# KiCad board INS-1 Matrix Display.kicad_pcb (continued)
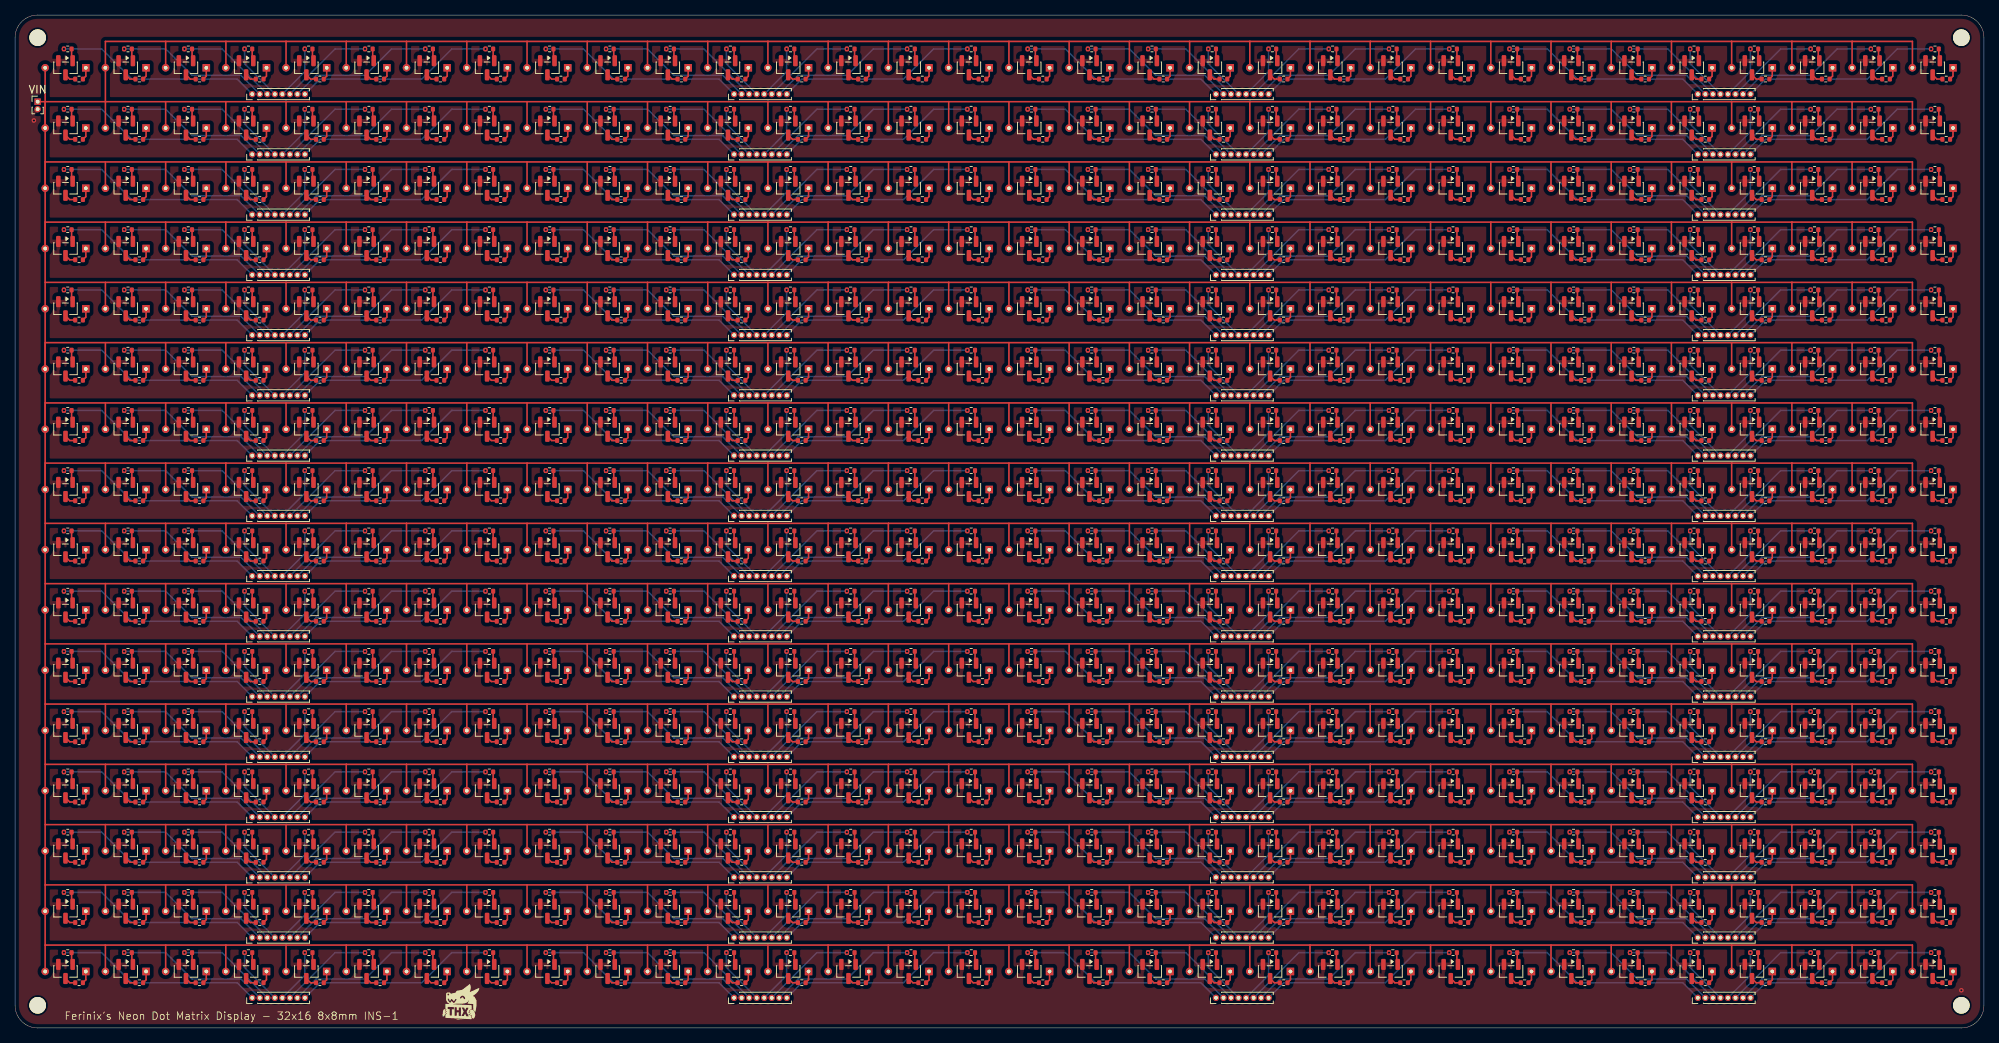
[diagram p0: board, top side]
## Placement (name value [footprint] x y rotation side) (continued)
1K#433  -  [R_0402_1005Metric]  15 114 0 top
1K#434  -  [R_0402_1005Metric]  15 58 0 top
1K#435  -  [R_0402_1005Metric]  230.99 26 0 top
1K#436  -  [R_0402_1005Metric]  38.99 58 0 top
1K#437  -  [R_0402_1005Metric]  118.99 130 0 top
1K#438  -  [R_0402_1005Metric]  207 106 0 top
1K#439  -  [R_0402_1005Metric]  38.99 34 0 top
1K#440  -  [R_0402_1005Metric]  79 106 0 top
1K#441  -  [R_0402_1005Metric]  71 10 0 top
1K#442  -  [R_0402_1005Metric]  158.99 98 0 top
1K#443  -  [R_0402_1005Metric]  135 74 0 top
1K#444  -  [R_0402_1005Metric]  254.99 10 0 top
1K#445  -  [R_0402_1005Metric]  215 130 0 top
1K#446  -  [R_0402_1005Metric]  7 34 0 top
1K#447  -  [R_0402_1005Metric]  126.99 10 0 top
1K#448  -  [R_0402_1005Metric]  110.99 130 0 top
1K#449  -  [R_0402_1005Metric]  54.99 50 0 top
1K#450  -  [R_0402_1005Metric]  222.99 58 0 top
1K#451  -  [R_0402_1005Metric]  190.99 98 0 top
1K#452  -  [R_0402_1005Metric]  126.99 18 0 top
1K#453  -  [R_0402_1005Metric]  15 122 0 top
1K#454  -  [R_0402_1005Metric]  143 42 0 top
1K#455  -  [R_0402_1005Metric]  166.99 58 0 top
1K#456  -  [R_0402_1005Metric]  166.99 74 0 top
1K#457  -  [R_0402_1005Metric]  118.99 58 0 top
1K#458  -  [R_0402_1005Metric]  230.99 34 0 top
1K#459  -  [R_0402_1005Metric]  246.99 82 0 top
1K#460  -  [R_0402_1005Metric]  71 122 0 top
1K#461  -  [R_0402_1005Metric]  166.99 34 0 top
1K#462  -  [R_0402_1005Metric]  238.99 98 0 top
1K#463  -  [R_0402_1005Metric]  151 122 0 top
1K#464  -  [R_0402_1005Metric]  54.99 26 0 top
1K#465  -  [R_0402_1005Metric]  151 114 0 top
1K#466  -  [R_0402_1005Metric]  87 42 0 top
1K#467  -  [R_0402_1005Metric]  94.99 42 0 top
1K#468  -  [R_0402_1005Metric]  238.99 50 0 top
1K#469  -  [R_0402_1005Metric]  102.99 34 0 top
1K#470  -  [R_0402_1005Metric]  46.99 82 0 top
1K#471  -  [R_0402_1005Metric]  54.99 42 0 top
1K#472  -  [R_0402_1005Metric]  174.99 122 0 top
1K#473  -  [R_0402_1005Metric]  79 58 0 top
1K#474  -  [R_0402_1005Metric]  182.99 42 0 top
1K#475  -  [R_0402_1005Metric]  15 74 0 top
1K#476  -  [R_0402_1005Metric]  62.99 74 0 top
1K#477  -  [R_0402_1005Metric]  118.99 114 0 top
1K#478  -  [R_0402_1005Metric]  71 18 0 top
1K#479  -  [R_0402_1005Metric]  118.99 34 0 top
1K#480  -  [R_0402_1005Metric]  94.99 82 0 top
1K#481  -  [R_0402_1005Metric]  126.99 130 0 top
1K#482  -  [R_0402_1005Metric]  110.99 42 0 top
1K#483  -  [R_0402_1005Metric]  23 98 0 top
1K#484  -  [R_0402_1005Metric]  87 130 0 top
1K#485  -  [R_0402_1005Metric]  94.99 122 0 top
1K#486  -  [R_0402_1005Metric]  30.99 122 0 top
1K#487  -  [R_0402_1005Metric]  38.99 66 0 top
1K#488  -  [R_0402_1005Metric]  246.99 98 0 top
1K#489  -  [R_0402_1005Metric]  15 26 0 top
1K#490  -  [R_0402_1005Metric]  182.99 58 0 top
1K#491  -  [R_0402_1005Metric]  151 42 0 top
1K#492  -  [R_0402_1005Metric]  46.99 114 0 top
1K#493  -  [R_0402_1005Metric]  30.99 10 0 top
1K#494  -  [R_0402_1005Metric]  62.99 10 0 top
1K#495  -  [R_0402_1005Metric]  207 10 0 top
1K#496  -  [R_0402_1005Metric]  87 114 0 top
1K#497  -  [R_0402_1005Metric]  102.99 122 0 top
1K#498  -  [R_0402_1005Metric]  38.99 74 0 top
1K#499  -  [R_0402_1005Metric]  166.99 90 0 top
1K#500  -  [R_0402_1005Metric]  7 18 0 top
1K#501  -  [R_0402_1005Metric]  30.99 58 0 top
1K#502  -  [R_0402_1005Metric]  62.99 82 0 top
1K#503  -  [R_0402_1005Metric]  166.99 82 0 top
1K#504  -  [R_0402_1005Metric]  46.99 58 0 top
1K#505  -  [R_0402_1005Metric]  23 90 0 top
1K#506  -  [R_0402_1005Metric]  102.99 98 0 top
1K#507  -  [R_0402_1005Metric]  143 66 0 top
1K#508  -  [R_0402_1005Metric]  126.99 34 0 top
1K#509  -  [R_0402_1005Metric]  199 66 0 top
1K#510  -  [R_0402_1005Metric]  222.99 122 0 top
1K#511  -  [R_0402_1005Metric]  135 130 0 top
1K#512  -  [R_0402_1005Metric]  199 18 0 top
50K  -  [R_0402_1005Metric]  8.5 102 180 top
50K#2  -  [R_0402_1005Metric]  152.5 78 180 top
50K#3  -  [R_0402_1005Metric]  152.5 126 180 top
50K#4  -  [R_0402_1005Metric]  136.5 70 180 top
50K#5  -  [R_0402_1005Metric]  72.5 6 180 top
50K#6  -  [R_0402_1005Metric]  80.5 78 180 top
50K#7  -  [R_0402_1005Metric]  64.49 126 180 top
50K#8  -  [R_0402_1005Metric]  40.49 14 180 top
50K#9  -  [R_0402_1005Metric]  240.49 102 180 top
50K#10  -  [R_0402_1005Metric]  200.5 126 180 top
50K#11  -  [R_0402_1005Metric]  184.49 94 180 top
50K#12  -  [R_0402_1005Metric]  256.49 62 180 top
50K#13  -  [R_0402_1005Metric]  40.49 118 180 top
50K#14  -  [R_0402_1005Metric]  232.49 14 180 top
50K#15  -  [R_0402_1005Metric]  120.49 14 180 top
50K#16  -  [R_0402_1005Metric]  56.49 126 180 top
50K#17  -  [R_0402_1005Metric]  48.49 38 180 top
50K#18  -  [R_0402_1005Metric]  104.49 94 180 top
50K#19  -  [R_0402_1005Metric]  56.49 22 180 top
50K#20  -  [R_0402_1005Metric]  120.49 22 180 top
50K#21  -  [R_0402_1005Metric]  40.49 30 180 top
50K#22  -  [R_0402_1005Metric]  40.49 38 180 top
50K#23  -  [R_0402_1005Metric]  176.49 118 180 top
50K#24  -  [R_0402_1005Metric]  48.49 94 180 top
50K#25  -  [R_0402_1005Metric]  224.49 38 180 top
50K#26  -  [R_0402_1005Metric]  160.49 14 180 top
50K#27  -  [R_0402_1005Metric]  160.49 54 180 top
50K#28  -  [R_0402_1005Metric]  240.49 6 180 top
50K#29  -  [R_0402_1005Metric]  88.5 102 180 top
50K#30  -  [R_0402_1005Metric]  48.49 54 180 top
50K#31  -  [R_0402_1005Metric]  192.49 6 180 top
50K#32  -  [R_0402_1005Metric]  160.49 102 180 top
50K#33  -  [R_0402_1005Metric]  184.49 6 180 top
50K#34  -  [R_0402_1005Metric]  72.5 46 180 top
50K#35  -  [R_0402_1005Metric]  120.49 110 180 top
50K#36  -  [R_0402_1005Metric]  104.49 14 180 top
50K#37  -  [R_0402_1005Metric]  136.5 78 180 top
50K#38  -  [R_0402_1005Metric]  144.5 22 180 top
50K#39  -  [R_0402_1005Metric]  112.49 70 180 top
50K#40  -  [R_0402_1005Metric]  208.5 62 180 top
50K#41  -  [R_0402_1005Metric]  32.49 14 180 top
50K#42  -  [R_0402_1005Metric]  72.5 94 180 top
50K#43  -  [R_0402_1005Metric]  96.49 22 180 top
50K#44  -  [R_0402_1005Metric]  40.49 62 180 top
50K#45  -  [R_0402_1005Metric]  112.49 94 180 top
50K#46  -  [R_0402_1005Metric]  80.5 46 180 top
50K#47  -  [R_0402_1005Metric]  208.5 38 180 top
50K#48  -  [R_0402_1005Metric]  96.49 126 180 top
50K#49  -  [R_0402_1005Metric]  208.5 102 180 top
50K#50  -  [R_0402_1005Metric]  144.5 110 180 top
50K#51  -  [R_0402_1005Metric]  112.49 126 180 top
50K#52  -  [R_0402_1005Metric]  136.5 22 180 top
50K#53  -  [R_0402_1005Metric]  168.49 30 180 top
50K#54  -  [R_0402_1005Metric]  144.5 62 180 top
50K#55  -  [R_0402_1005Metric]  24.5 70 180 top
50K#56  -  [R_0402_1005Metric]  152.5 118 180 top
50K#57  -  [R_0402_1005Metric]  160.49 86 180 top
50K#58  -  [R_0402_1005Metric]  184.49 86 180 top
50K#59  -  [R_0402_1005Metric]  32.49 126 180 top
50K#60  -  [R_0402_1005Metric]  176.49 22 180 top
50K#61  -  [R_0402_1005Metric]  56.49 6 180 top
50K#62  -  [R_0402_1005Metric]  224.49 110 180 top
50K#63  -  [R_0402_1005Metric]  184.49 110 180 top
50K#64  -  [R_0402_1005Metric]  152.5 46 180 top
50K#65  -  [R_0402_1005Metric]  80.5 62 180 top
50K#66  -  [R_0402_1005Metric]  72.5 126 180 top
50K#67  -  [R_0402_1005Metric]  80.5 54 180 top
50K#68  -  [R_0402_1005Metric]  56.49 78 180 top
50K#69  -  [R_0402_1005Metric]  256.49 94 180 top
50K#70  -  [R_0402_1005Metric]  144.5 78 180 top
50K#71  -  [R_0402_1005Metric]  72.5 86 180 top
50K#72  -  [R_0402_1005Metric]  240.49 70 180 top
50K#73  -  [R_0402_1005Metric]  8.5 6 180 top
50K#74  -  [R_0402_1005Metric]  168.49 6 180 top
50K#75  -  [R_0402_1005Metric]  240.49 110 180 top
50K#76  -  [R_0402_1005Metric]  64.49 6 180 top
50K#77  -  [R_0402_1005Metric]  128.49 70 180 top
50K#78  -  [R_0402_1005Metric]  248.49 54 180 top
50K#79  -  [R_0402_1005Metric]  112.49 86 180 top
50K#80  -  [R_0402_1005Metric]  88.5 30 180 top
50K#81  -  [R_0402_1005Metric]  168.49 54 180 top
50K#82  -  [R_0402_1005Metric]  216.5 94 180 top
50K#83  -  [R_0402_1005Metric]  256.49 118 180 top
50K#84  -  [R_0402_1005Metric]  80.5 102 180 top
50K#85  -  [R_0402_1005Metric]  32.49 118 180 top
50K#86  -  [R_0402_1005Metric]  192.49 110 180 top
50K#87  -  [R_0402_1005Metric]  152.5 86 180 top
50K#88  -  [R_0402_1005Metric]  96.49 102 180 top
50K#89  -  [R_0402_1005Metric]  88.5 118 180 top
50K#90  -  [R_0402_1005Metric]  176.49 110 180 top
50K#91  -  [R_0402_1005Metric]  56.49 102 180 top
50K#92  -  [R_0402_1005Metric]  192.49 118 180 top
50K#93  -  [R_0402_1005Metric]  240.49 38 180 top
50K#94  -  [R_0402_1005Metric]  248.49 78 180 top
50K#95  -  [R_0402_1005Metric]  40.49 126 180 top
50K#96  -  [R_0402_1005Metric]  200.5 38 180 top
50K#97  -  [R_0402_1005Metric]  64.49 62 180 top
50K#98  -  [R_0402_1005Metric]  96.49 94 180 top
50K#99  -  [R_0402_1005Metric]  248.49 22 180 top
50K#100  -  [R_0402_1005Metric]  216.5 22 180 top
50K#101  -  [R_0402_1005Metric]  8.5 118 180 top
50K#102  -  [R_0402_1005Metric]  40.49 22 180 top
50K#103  -  [R_0402_1005Metric]  256.49 14 180 top
50K#104  -  [R_0402_1005Metric]  104.49 70 180 top
50K#105  -  [R_0402_1005Metric]  8.5 54 180 top
50K#106  -  [R_0402_1005Metric]  136.5 86 180 top
50K#107  -  [R_0402_1005Metric]  88.5 14 180 top
50K#108  -  [R_0402_1005Metric]  64.49 30 180 top
50K#109  -  [R_0402_1005Metric]  232.49 94 180 top
50K#110  -  [R_0402_1005Metric]  96.49 38 180 top
50K#111  -  [R_0402_1005Metric]  32.49 62 180 top
50K#112  -  [R_0402_1005Metric]  144.5 118 180 top
50K#113  -  [R_0402_1005Metric]  48.49 78 180 top
50K#114  -  [R_0402_1005Metric]  128.49 30 180 top
50K#115  -  [R_0402_1005Metric]  248.49 14 180 top
50K#116  -  [R_0402_1005Metric]  8.5 86 180 top
50K#117  -  [R_0402_1005Metric]  16.5 30 180 top
50K#118  -  [R_0402_1005Metric]  208.5 46 180 top
50K#119  -  [R_0402_1005Metric]  24.5 14 180 top
50K#120  -  [R_0402_1005Metric]  208.5 6 180 top
50K#121  -  [R_0402_1005Metric]  256.49 102 180 top
50K#122  -  [R_0402_1005Metric]  128.49 62 180 top
50K#123  -  [R_0402_1005Metric]  136.5 54 180 top
50K#124  -  [R_0402_1005Metric]  16.5 46 180 top
50K#125  -  [R_0402_1005Metric]  24.5 78 180 top
50K#126  -  [R_0402_1005Metric]  40.49 94 180 top
50K#127  -  [R_0402_1005Metric]  16.5 22 180 top
50K#128  -  [R_0402_1005Metric]  120.49 30 180 top
50K#129  -  [R_0402_1005Metric]  256.49 38 180 top
50K#130  -  [R_0402_1005Metric]  152.5 110 180 top
50K#131  -  [R_0402_1005Metric]  72.5 14 180 top
50K#132  -  [R_0402_1005Metric]  112.49 30 180 top
50K#133  -  [R_0402_1005Metric]  248.49 118 180 top
50K#134  -  [R_0402_1005Metric]  72.5 110 180 top
50K#135  -  [R_0402_1005Metric]  96.49 62 180 top
50K#136  -  [R_0402_1005Metric]  200.5 110 180 top
50K#137  -  [R_0402_1005Metric]  168.49 110 180 top
50K#138  -  [R_0402_1005Metric]  80.5 30 180 top
50K#139  -  [R_0402_1005Metric]  224.49 14 180 top
50K#140  -  [R_0402_1005Metric]  256.49 86 180 top
50K#141  -  [R_0402_1005Metric]  152.5 94 180 top
50K#142  -  [R_0402_1005Metric]  248.49 70 180 top
50K#143  -  [R_0402_1005Metric]  208.5 54 180 top
50K#144  -  [R_0402_1005Metric]  72.5 22 180 top
50K#145  -  [R_0402_1005Metric]  248.49 6 180 top
50K#146  -  [R_0402_1005Metric]  88.5 78 180 top
50K#147  -  [R_0402_1005Metric]  88.5 46 180 top
50K#148  -  [R_0402_1005Metric]  224.49 102 180 top
50K#149  -  [R_0402_1005Metric]  176.49 46 180 top
50K#150  -  [R_0402_1005Metric]  240.49 46 180 top
50K#151  -  [R_0402_1005Metric]  112.49 78 180 top
50K#152  -  [R_0402_1005Metric]  112.49 46 180 top
50K#153  -  [R_0402_1005Metric]  144.5 126 180 top
50K#154  -  [R_0402_1005Metric]  24.5 110 180 top
50K#155  -  [R_0402_1005Metric]  96.49 6 180 top
50K#156  -  [R_0402_1005Metric]  136.5 46 180 top
50K#157  -  [R_0402_1005Metric]  16.5 78 180 top
50K#158  -  [R_0402_1005Metric]  136.5 14 180 top
50K#159  -  [R_0402_1005Metric]  24.5 102 180 top
50K#160  -  [R_0402_1005Metric]  184.49 30 180 top
50K#161  -  [R_0402_1005Metric]  248.49 102 180 top
50K#162  -  [R_0402_1005Metric]  48.49 30 180 top
50K#163  -  [R_0402_1005Metric]  224.49 22 180 top
50K#164  -  [R_0402_1005Metric]  120.49 126 180 top
50K#165  -  [R_0402_1005Metric]  88.5 110 180 top
50K#166  -  [R_0402_1005Metric]  208.5 86 180 top
50K#167  -  [R_0402_1005Metric]  136.5 118 180 top
50K#168  -  [R_0402_1005Metric]  216.5 126 180 top
50K#169  -  [R_0402_1005Metric]  96.49 78 180 top
50K#170  -  [R_0402_1005Metric]  144.5 6 180 top
50K#171  -  [R_0402_1005Metric]  192.49 70 180 top
50K#172  -  [R_0402_1005Metric]  88.5 38 180 top
50K#173  -  [R_0402_1005Metric]  248.49 30 180 top
50K#174  -  [R_0402_1005Metric]  80.5 126 180 top
50K#175  -  [R_0402_1005Metric]  16.5 70 180 top
50K#176  -  [R_0402_1005Metric]  208.5 30 180 top
50K#177  -  [R_0402_1005Metric]  256.49 54 180 top
50K#178  -  [R_0402_1005Metric]  104.49 110 180 top
50K#179  -  [R_0402_1005Metric]  72.5 118 180 top
50K#180  -  [R_0402_1005Metric]  64.49 118 180 top
50K#181  -  [R_0402_1005Metric]  96.49 86 180 top
50K#182  -  [R_0402_1005Metric]  128.49 94 180 top
50K#183  -  [R_0402_1005Metric]  224.49 86 180 top
50K#184  -  [R_0402_1005Metric]  256.49 78 180 top
50K#185  -  [R_0402_1005Metric]  8.5 78 180 top
50K#186  -  [R_0402_1005Metric]  24.5 118 180 top
50K#187  -  [R_0402_1005Metric]  240.49 78 180 top
50K#188  -  [R_0402_1005Metric]  168.49 126 180 top
50K#189  -  [R_0402_1005Metric]  72.5 62 180 top
50K#190  -  [R_0402_1005Metric]  200.5 102 180 top
50K#191  -  [R_0402_1005Metric]  192.49 78 180 top
50K#192  -  [R_0402_1005Metric]  104.49 22 180 top
50K#193  -  [R_0402_1005Metric]  208.5 94 180 top
50K#194  -  [R_0402_1005Metric]  8.5 38 180 top
50K#195  -  [R_0402_1005Metric]  160.49 38 180 top
50K#196  -  [R_0402_1005Metric]  120.49 38 180 top
50K#197  -  [R_0402_1005Metric]  184.49 118 180 top
50K#198  -  [R_0402_1005Metric]  240.49 62 180 top
50K#199  -  [R_0402_1005Metric]  112.49 22 180 top
50K#200  -  [R_0402_1005Metric]  144.5 30 180 top
50K#201  -  [R_0402_1005Metric]  168.49 22 180 top
50K#202  -  [R_0402_1005Metric]  256.49 70 180 top
50K#203  -  [R_0402_1005Metric]  96.49 30 180 top
50K#204  -  [R_0402_1005Metric]  208.5 78 180 top
50K#205  -  [R_0402_1005Metric]  184.49 46 180 top
50K#206  -  [R_0402_1005Metric]  208.5 14 180 top
50K#207  -  [R_0402_1005Metric]  232.49 110 180 top
50K#208  -  [R_0402_1005Metric]  232.49 78 180 top
50K#209  -  [R_0402_1005Metric]  8.5 110 180 top
50K#210  -  [R_0402_1005Metric]  152.5 62 180 top
50K#211  -  [R_0402_1005Metric]  24.5 86 180 top
50K#212  -  [R_0402_1005Metric]  240.49 118 180 top
50K#213  -  [R_0402_1005Metric]  216.5 30 180 top
50K#214  -  [R_0402_1005Metric]  80.5 22 180 top
50K#215  -  [R_0402_1005Metric]  184.49 126 180 top
50K#216  -  [R_0402_1005Metric]  112.49 110 180 top
50K#217  -  [R_0402_1005Metric]  224.49 54 180 top
50K#218  -  [R_0402_1005Metric]  176.49 62 180 top
50K#219  -  [R_0402_1005Metric]  208.5 70 180 top
50K#220  -  [R_0402_1005Metric]  96.49 46 180 top
50K#221  -  [R_0402_1005Metric]  160.49 6 180 top
50K#222  -  [R_0402_1005Metric]  72.5 30 180 top
50K#223  -  [R_0402_1005Metric]  128.49 110 180 top
50K#224  -  [R_0402_1005Metric]  72.5 78 180 top
50K#225  -  [R_0402_1005Metric]  16.5 102 180 top
50K#226  -  [R_0402_1005Metric]  88.5 54 180 top
50K#227  -  [R_0402_1005Metric]  168.49 62 180 top
50K#228  -  [R_0402_1005Metric]  160.49 118 180 top
50K#229  -  [R_0402_1005Metric]  24.5 126 180 top
50K#230  -  [R_0402_1005Metric]  120.49 46 180 top
50K#231  -  [R_0402_1005Metric]  152.5 14 180 top
50K#232  -  [R_0402_1005Metric]  160.49 78 180 top
50K#233  -  [R_0402_1005Metric]  128.49 54 180 top
50K#234  -  [R_0402_1005Metric]  72.5 38 180 top
50K#235  -  [R_0402_1005Metric]  32.49 46 180 top
50K#236  -  [R_0402_1005Metric]  184.49 54 180 top
50K#237  -  [R_0402_1005Metric]  192.49 102 180 top
50K#238  -  [R_0402_1005Metric]  40.49 6 180 top
50K#239  -  [R_0402_1005Metric]  248.49 126 180 top
50K#240  -  [R_0402_1005Metric]  104.49 46 180 top
50K#241  -  [R_0402_1005Metric]  88.5 62 180 top
50K#242  -  [R_0402_1005Metric]  112.49 118 180 top
50K#243  -  [R_0402_1005Metric]  200.5 78 180 top
50K#244  -  [R_0402_1005Metric]  56.49 62 180 top
50K#245  -  [R_0402_1005Metric]  184.49 14 180 top
50K#246  -  [R_0402_1005Metric]  152.5 30 180 top
50K#247  -  [R_0402_1005Metric]  232.49 22 180 top
50K#248  -  [R_0402_1005Metric]  168.49 94 180 top
50K#249  -  [R_0402_1005Metric]  216.5 6 180 top
50K#250  -  [R_0402_1005Metric]  56.49 110 180 top
50K#251  -  [R_0402_1005Metric]  104.49 78 180 top
50K#252  -  [R_0402_1005Metric]  64.49 102 180 top
50K#253  -  [R_0402_1005Metric]  96.49 54 180 top
50K#254  -  [R_0402_1005Metric]  256.49 126 180 top
50K#255  -  [R_0402_1005Metric]  64.49 70 180 top
50K#256  -  [R_0402_1005Metric]  224.49 62 180 top
50K#257  -  [R_0402_1005Metric]  256.49 22 180 top
50K#258  -  [R_0402_1005Metric]  184.49 38 180 top
50K#259  -  [R_0402_1005Metric]  200.5 14 180 top
50K#260  -  [R_0402_1005Metric]  192.49 54 180 top
50K#261  -  [R_0402_1005Metric]  224.49 126 180 top
50K#262  -  [R_0402_1005Metric]  40.49 86 180 top
50K#263  -  [R_0402_1005Metric]  64.49 14 180 top
50K#264  -  [R_0402_1005Metric]  96.49 118 180 top
50K#265  -  [R_0402_1005Metric]  200.5 30 180 top
50K#266  -  [R_0402_1005Metric]  40.49 70 180 top
50K#267  -  [R_0402_1005Metric]  72.5 54 180 top
50K#268  -  [R_0402_1005Metric]  176.49 6 180 top
50K#269  -  [R_0402_1005Metric]  152.5 38 180 top
50K#270  -  [R_0402_1005Metric]  176.49 86 180 top
50K#271  -  [R_0402_1005Metric]  240.49 14 180 top
50K#272  -  [R_0402_1005Metric]  16.5 14 180 top
50K#273  -  [R_0402_1005Metric]  64.49 38 180 top
50K#274  -  [R_0402_1005Metric]  104.49 126 180 top
50K#275  -  [R_0402_1005Metric]  24.5 22 180 top
50K#276  -  [R_0402_1005Metric]  56.49 118 180 top
50K#277  -  [R_0402_1005Metric]  160.49 110 180 top
50K#278  -  [R_0402_1005Metric]  104.49 102 180 top
50K#279  -  [R_0402_1005Metric]  32.49 70 180 top
50K#280  -  [R_0402_1005Metric]  80.5 94 180 top
50K#281  -  [R_0402_1005Metric]  168.49 46 180 top
50K#282  -  [R_0402_1005Metric]  24.5 54 180 top
50K#283  -  [R_0402_1005Metric]  80.5 86 180 top
50K#284  -  [R_0402_1005Metric]  104.49 54 180 top
50K#285  -  [R_0402_1005Metric]  120.49 86 180 top
50K#286  -  [R_0402_1005Metric]  200.5 46 180 top
50K#287  -  [R_0402_1005Metric]  168.49 70 180 top
50K#288  -  [R_0402_1005Metric]  24.5 46 180 top
50K#289  -  [R_0402_1005Metric]  176.49 78 180 top
50K#290  -  [R_0402_1005Metric]  72.5 102 180 top
50K#291  -  [R_0402_1005Metric]  112.49 102 180 top
50K#292  -  [R_0402_1005Metric]  208.5 126 180 top
50K#293  -  [R_0402_1005Metric]  232.49 30 180 top
50K#294  -  [R_0402_1005Metric]  216.5 86 180 top
50K#295  -  [R_0402_1005Metric]  192.49 46 180 top
50K#296  -  [R_0402_1005Metric]  40.49 54 180 top
50K#297  -  [R_0402_1005Metric]  48.49 70 180 top
50K#298  -  [R_0402_1005Metric]  128.49 38 180 top
50K#299  -  [R_0402_1005Metric]  8.5 46 180 top
50K#300  -  [R_0402_1005Metric]  224.49 78 180 top
50K#301  -  [R_0402_1005Metric]  216.5 14 180 top
50K#302  -  [R_0402_1005Metric]  184.49 62 180 top
50K#303  -  [R_0402_1005Metric]  104.49 62 180 top
50K#304  -  [R_0402_1005Metric]  224.49 70 180 top
50K#305  -  [R_0402_1005Metric]  248.49 62 180 top
50K#306  -  [R_0402_1005Metric]  144.5 86 180 top
50K#307  -  [R_0402_1005Metric]  168.49 38 180 top
50K#308  -  [R_0402_1005Metric]  168.49 118 180 top
50K#309  -  [R_0402_1005Metric]  144.5 14 180 top
50K#310  -  [R_0402_1005Metric]  16.5 126 180 top
50K#311  -  [R_0402_1005Metric]  192.49 86 180 top
50K#312  -  [R_0402_1005Metric]  16.5 6 180 top
50K#313  -  [R_0402_1005Metric]  88.5 86 180 top
50K#314  -  [R_0402_1005Metric]  152.5 22 180 top
50K#315  -  [R_0402_1005Metric]  8.5 126 180 top
50K#316  -  [R_0402_1005Metric]  112.49 54 180 top
50K#317  -  [R_0402_1005Metric]  48.49 6 180 top
50K#318  -  [R_0402_1005Metric]  136.5 6 180 top
50K#319  -  [R_0402_1005Metric]  24.5 62 180 top
50K#320  -  [R_0402_1005Metric]  8.5 14 180 top
50K#321  -  [R_0402_1005Metric]  64.49 78 180 top
50K#322  -  [R_0402_1005Metric]  152.5 54 180 top
50K#323  -  [R_0402_1005Metric]  120.49 6 180 top
50K#324  -  [R_0402_1005Metric]  120.49 78 180 top
50K#325  -  [R_0402_1005Metric]  216.5 78 180 top
50K#326  -  [R_0402_1005Metric]  8.5 30 180 top
50K#327  -  [R_0402_1005Metric]  232.49 86 180 top
50K#328  -  [R_0402_1005Metric]  112.49 14 180 top
50K#329  -  [R_0402_1005Metric]  96.49 14 180 top
50K#330  -  [R_0402_1005Metric]  48.49 62 180 top
50K#331  -  [R_0402_1005Metric]  64.49 110 180 top
50K#332  -  [R_0402_1005Metric]  112.49 6 180 top
50K#333  -  [R_0402_1005Metric]  128.49 118 180 top
50K#334  -  [R_0402_1005Metric]  80.5 70 180 top
50K#335  -  [R_0402_1005Metric]  200.5 54 180 top
50K#336  -  [R_0402_1005Metric]  232.49 6 180 top
50K#337  -  [R_0402_1005Metric]  32.49 6 180 top
50K#338  -  [R_0402_1005Metric]  32.49 30 180 top
50K#339  -  [R_0402_1005Metric]  160.49 62 180 top
50K#340  -  [R_0402_1005Metric]  88.5 70 180 top
50K#341  -  [R_0402_1005Metric]  88.5 94 180 top
50K#342  -  [R_0402_1005Metric]  248.49 94 180 top
50K#343  -  [R_0402_1005Metric]  192.49 22 180 top
50K#344  -  [R_0402_1005Metric]  48.49 14 180 top
50K#345  -  [R_0402_1005Metric]  248.49 46 180 top
50K#346  -  [R_0402_1005Metric]  32.49 38 180 top
50K#347  -  [R_0402_1005Metric]  24.5 6 180 top
50K#348  -  [R_0402_1005Metric]  88.5 6 180 top
50K#349  -  [R_0402_1005Metric]  32.49 22 180 top
50K#350  -  [R_0402_1005Metric]  208.5 118 180 top
50K#351  -  [R_0402_1005Metric]  144.5 94 180 top
50K#352  -  [R_0402_1005Metric]  32.49 86 180 top
50K#353  -  [R_0402_1005Metric]  256.49 110 180 top
50K#354  -  [R_0402_1005Metric]  176.49 70 180 top
50K#355  -  [R_0402_1005Metric]  192.49 94 180 top
50K#356  -  [R_0402_1005Metric]  256.49 30 180 top
50K#357  -  [R_0402_1005Metric]  16.5 86 180 top
50K#358  -  [R_0402_1005Metric]  232.49 46 180 top
50K#359  -  [R_0402_1005Metric]  64.49 46 180 top
50K#360  -  [R_0402_1005Metric]  240.49 86 180 top
50K#361  -  [R_0402_1005Metric]  240.49 126 180 top
50K#362  -  [R_0402_1005Metric]  216.5 70 180 top
50K#363  -  [R_0402_1005Metric]  16.5 94 180 top
50K#364  -  [R_0402_1005Metric]  104.49 118 180 top
50K#365  -  [R_0402_1005Metric]  8.5 70 180 top
50K#366  -  [R_0402_1005Metric]  16.5 62 180 top
50K#367  -  [R_0402_1005Metric]  112.49 62 180 top
50K#368  -  [R_0402_1005Metric]  24.5 30 180 top
50K#369  -  [R_0402_1005Metric]  48.49 110 180 top
50K#370  -  [R_0402_1005Metric]  152.5 102 180 top
50K#371  -  [R_0402_1005Metric]  248.49 86 180 top
50K#372  -  [R_0402_1005Metric]  128.49 126 180 top
50K#373  -  [R_0402_1005Metric]  128.49 46 180 top
50K#374  -  [R_0402_1005Metric]  32.49 78 180 top
50K#375  -  [R_0402_1005Metric]  224.49 46 180 top
50K#376  -  [R_0402_1005Metric]  216.5 110 180 top
50K#377  -  [R_0402_1005Metric]  232.49 62 180 top
50K#378  -  [R_0402_1005Metric]  8.5 22 180 top
50K#379  -  [R_0402_1005Metric]  48.49 22 180 top
50K#380  -  [R_0402_1005Metric]  176.49 54 180 top
50K#381  -  [R_0402_1005Metric]  192.49 62 180 top
50K#382  -  [R_0402_1005Metric]  192.49 30 180 top
50K#383  -  [R_0402_1005Metric]  8.5 62 180 top
50K#384  -  [R_0402_1005Metric]  16.5 38 180 top
50K#385  -  [R_0402_1005Metric]  56.49 46 180 top
50K#386  -  [R_0402_1005Metric]  136.5 62 180 top
50K#387  -  [R_0402_1005Metric]  136.5 110 180 top
50K#388  -  [R_0402_1005Metric]  136.5 94 180 top
50K#389  -  [R_0402_1005Metric]  232.49 38 180 top
50K#390  -  [R_0402_1005Metric]  184.49 70 180 top
50K#391  -  [R_0402_1005Metric]  200.5 86 180 top
50K#392  -  [R_0402_1005Metric]  120.49 62 180 top
50K#393  -  [R_0402_1005Metric]  80.5 118 180 top
50K#394  -  [R_0402_1005Metric]  160.49 94 180 top
50K#395  -  [R_0402_1005Metric]  200.5 6 180 top
50K#396  -  [R_0402_1005Metric]  216.5 46 180 top
50K#397  -  [R_0402_1005Metric]  40.49 102 180 top
50K#398  -  [R_0402_1005Metric]  48.49 126 180 top
50K#399  -  [R_0402_1005Metric]  232.49 118 180 top
50K#400  -  [R_0402_1005Metric]  40.49 78 180 top
50K#401  -  [R_0402_1005Metric]  200.5 22 180 top
50K#402  -  [R_0402_1005Metric]  136.5 126 180 top
50K#403  -  [R_0402_1005Metric]  104.49 6 180 top
50K#404  -  [R_0402_1005Metric]  168.49 78 180 top
50K#405  -  [R_0402_1005Metric]  232.49 126 180 top
50K#406  -  [R_0402_1005Metric]  128.49 6 180 top
50K#407  -  [R_0402_1005Metric]  56.49 30 180 top
50K#408  -  [R_0402_1005Metric]  128.49 14 180 top
50K#409  -  [R_0402_1005Metric]  224.49 94 180 top
50K#410  -  [R_0402_1005Metric]  184.49 22 180 top
50K#411  -  [R_0402_1005Metric]  88.5 22 180 top
50K#412  -  [R_0402_1005Metric]  168.49 86 180 top
50K#413  -  [R_0402_1005Metric]  88.5 126 180 top
50K#414  -  [R_0402_1005Metric]  48.49 86 180 top
50K#415  -  [R_0402_1005Metric]  16.5 54 180 top
50K#416  -  [R_0402_1005Metric]  224.49 6 180 top
50K#417  -  [R_0402_1005Metric]  104.49 86 180 top
50K#418  -  [R_0402_1005Metric]  160.49 22 180 top
50K#419  -  [R_0402_1005Metric]  216.5 38 180 top
50K#420  -  [R_0402_1005Metric]  224.49 30 180 top
50K#421  -  [R_0402_1005Metric]  56.49 54 180 top
50K#422  -  [R_0402_1005Metric]  136.5 102 180 top
50K#423  -  [R_0402_1005Metric]  200.5 94 180 top
50K#424  -  [R_0402_1005Metric]  120.49 94 180 top
50K#425  -  [R_0402_1005Metric]  56.49 38 180 top
50K#426  -  [R_0402_1005Metric]  64.49 94 180 top
50K#427  -  [R_0402_1005Metric]  192.49 126 180 top
50K#428  -  [R_0402_1005Metric]  144.5 38 180 top
50K#429  -  [R_0402_1005Metric]  80.5 14 180 top
50K#430  -  [R_0402_1005Metric]  176.49 30 180 top
50K#431  -  [R_0402_1005Metric]  256.49 6 180 top
50K#432  -  [R_0402_1005Metric]  240.49 94 180 top
50K#433  -  [R_0402_1005Metric]  240.49 22 180 top
50K#434  -  [R_0402_1005Metric]  216.5 54 180 top
50K#435  -  [R_0402_1005Metric]  200.5 70 180 top
50K#436  -  [R_0402_1005Metric]  144.5 46 180 top
50K#437  -  [R_0402_1005Metric]  120.49 54 180 top
50K#438  -  [R_0402_1005Metric]  176.49 126 180 top
50K#439  -  [R_0402_1005Metric]  224.49 118 180 top
50K#440  -  [R_0402_1005Metric]  192.49 14 180 top
50K#441  -  [R_0402_1005Metric]  240.49 54 180 top
50K#442  -  [R_0402_1005Metric]  128.49 102 180 top
50K#443  -  [R_0402_1005Metric]  176.49 102 180 top
50K#444  -  [R_0402_1005Metric]  160.49 30 180 top
50K#445  -  [R_0402_1005Metric]  248.49 38 180 top
50K#446  -  [R_0402_1005Metric]  160.49 70 180 top
50K#447  -  [R_0402_1005Metric]  40.49 46 180 top
50K#448  -  [R_0402_1005Metric]  208.5 110 180 top
50K#449  -  [R_0402_1005Metric]  136.5 30 180 top
50K#450  -  [R_0402_1005Metric]  120.49 102 180 top
50K#451  -  [R_0402_1005Metric]  16.5 110 180 top
50K#452  -  [R_0402_1005Metric]  200.5 118 180 top
50K#453  -  [R_0402_1005Metric]  48.49 102 180 top
50K#454  -  [R_0402_1005Metric]  144.5 102 180 top
50K#455  -  [R_0402_1005Metric]  48.49 46 180 top
50K#456  -  [R_0402_1005Metric]  56.49 70 180 top
50K#457  -  [R_0402_1005Metric]  48.49 118 180 top
50K#458  -  [R_0402_1005Metric]  32.49 110 180 top
50K#459  -  [R_0402_1005Metric]  128.49 86 180 top
50K#460  -  [R_0402_1005Metric]  32.49 94 180 top
50K#461  -  [R_0402_1005Metric]  64.49 86 180 top
50K#462  -  [R_0402_1005Metric]  56.49 86 180 top
50K#463  -  [R_0402_1005Metric]  136.5 38 180 top
50K#464  -  [R_0402_1005Metric]  232.49 70 180 top
50K#465  -  [R_0402_1005Metric]  168.49 102 180 top
50K#466  -  [R_0402_1005Metric]  40.49 110 180 top
50K#467  -  [R_0402_1005Metric]  160.49 46 180 top
50K#468  -  [R_0402_1005Metric]  56.49 94 180 top
50K#469  -  [R_0402_1005Metric]  128.49 78 180 top
50K#470  -  [R_0402_1005Metric]  168.49 14 180 top
50K#471  -  [R_0402_1005Metric]  160.49 126 180 top
50K#472  -  [R_0402_1005Metric]  80.5 38 180 top
50K#473  -  [R_0402_1005Metric]  248.49 110 180 top
50K#474  -  [R_0402_1005Metric]  240.49 30 180 top
50K#475  -  [R_0402_1005Metric]  144.5 54 180 top
50K#476  -  [R_0402_1005Metric]  216.5 102 180 top
50K#477  -  [R_0402_1005Metric]  176.49 94 180 top
50K#478  -  [R_0402_1005Metric]  128.49 22 180 top
50K#479  -  [R_0402_1005Metric]  32.49 54 180 top
50K#480  -  [R_0402_1005Metric]  80.5 110 180 top
50K#481  -  [R_0402_1005Metric]  120.49 70 180 top
50K#482  -  [R_0402_1005Metric]  184.49 102 180 top
50K#483  -  [R_0402_1005Metric]  120.49 118 180 top
50K#484  -  [R_0402_1005Metric]  72.5 70 180 top
50K#485  -  [R_0402_1005Metric]  104.49 30 180 top
50K#486  -  [R_0402_1005Metric]  232.49 54 180 top
50K#487  -  [R_0402_1005Metric]  144.5 70 180 top
50K#488  -  [R_0402_1005Metric]  64.49 22 180 top
50K#489  -  [R_0402_1005Metric]  8.5 94 180 top
50K#490  -  [R_0402_1005Metric]  80.5 6 180 top
50K#491  -  [R_0402_1005Metric]  208.5 22 180 top
50K#492  -  [R_0402_1005Metric]  64.49 54 180 top
50K#493  -  [R_0402_1005Metric]  104.49 38 180 top
50K#494  -  [R_0402_1005Metric]  56.49 14 180 top
50K#495  -  [R_0402_1005Metric]  184.49 78 180 top
50K#496  -  [R_0402_1005Metric]  216.5 62 180 top
50K#497  -  [R_0402_1005Metric]  176.49 38 180 top
50K#498  -  [R_0402_1005Metric]  24.5 38 180 top
50K#499  -  [R_0402_1005Metric]  96.49 70 180 top
50K#500  -  [R_0402_1005Metric]  152.5 70 180 top
50K#501  -  [R_0402_1005Metric]  152.5 6 180 top
50K#502  -  [R_0402_1005Metric]  256.49 46 180 top
50K#503  -  [R_0402_1005Metric]  16.5 118 180 top
50K#504  -  [R_0402_1005Metric]  96.49 110 180 top
50K#505  -  [R_0402_1005Metric]  216.5 118 180 top
50K#506  -  [R_0402_1005Metric]  200.5 62 180 top
50K#507  -  [R_0402_1005Metric]  232.49 102 180 top
50K#508  -  [R_0402_1005Metric]  24.5 94 180 top
50K#509  -  [R_0402_1005Metric]  192.49 38 180 top
50K#510  -  [R_0402_1005Metric]  112.49 38 180 top
50K#511  -  [R_0402_1005Metric]  176.49 14 180 top
50K#512  -  [R_0402_1005Metric]  32.49 102 180 top
